# Altium PCB Bran_Main_Assay_PCB_v2.PcbDoc (part 7 of 15)
Units mil, origin at the board's own origin, x right, y up, seen from the top; angles counter-clockwise.
Board outline 3608.46 x 1899.79 mil, 6 copper layers (TOP, GND1, Singal, POWER, GND2, BOTTOM), stack 31.508 mil thick; 363 components, 288 nets, 1386 pads, 975 vias.
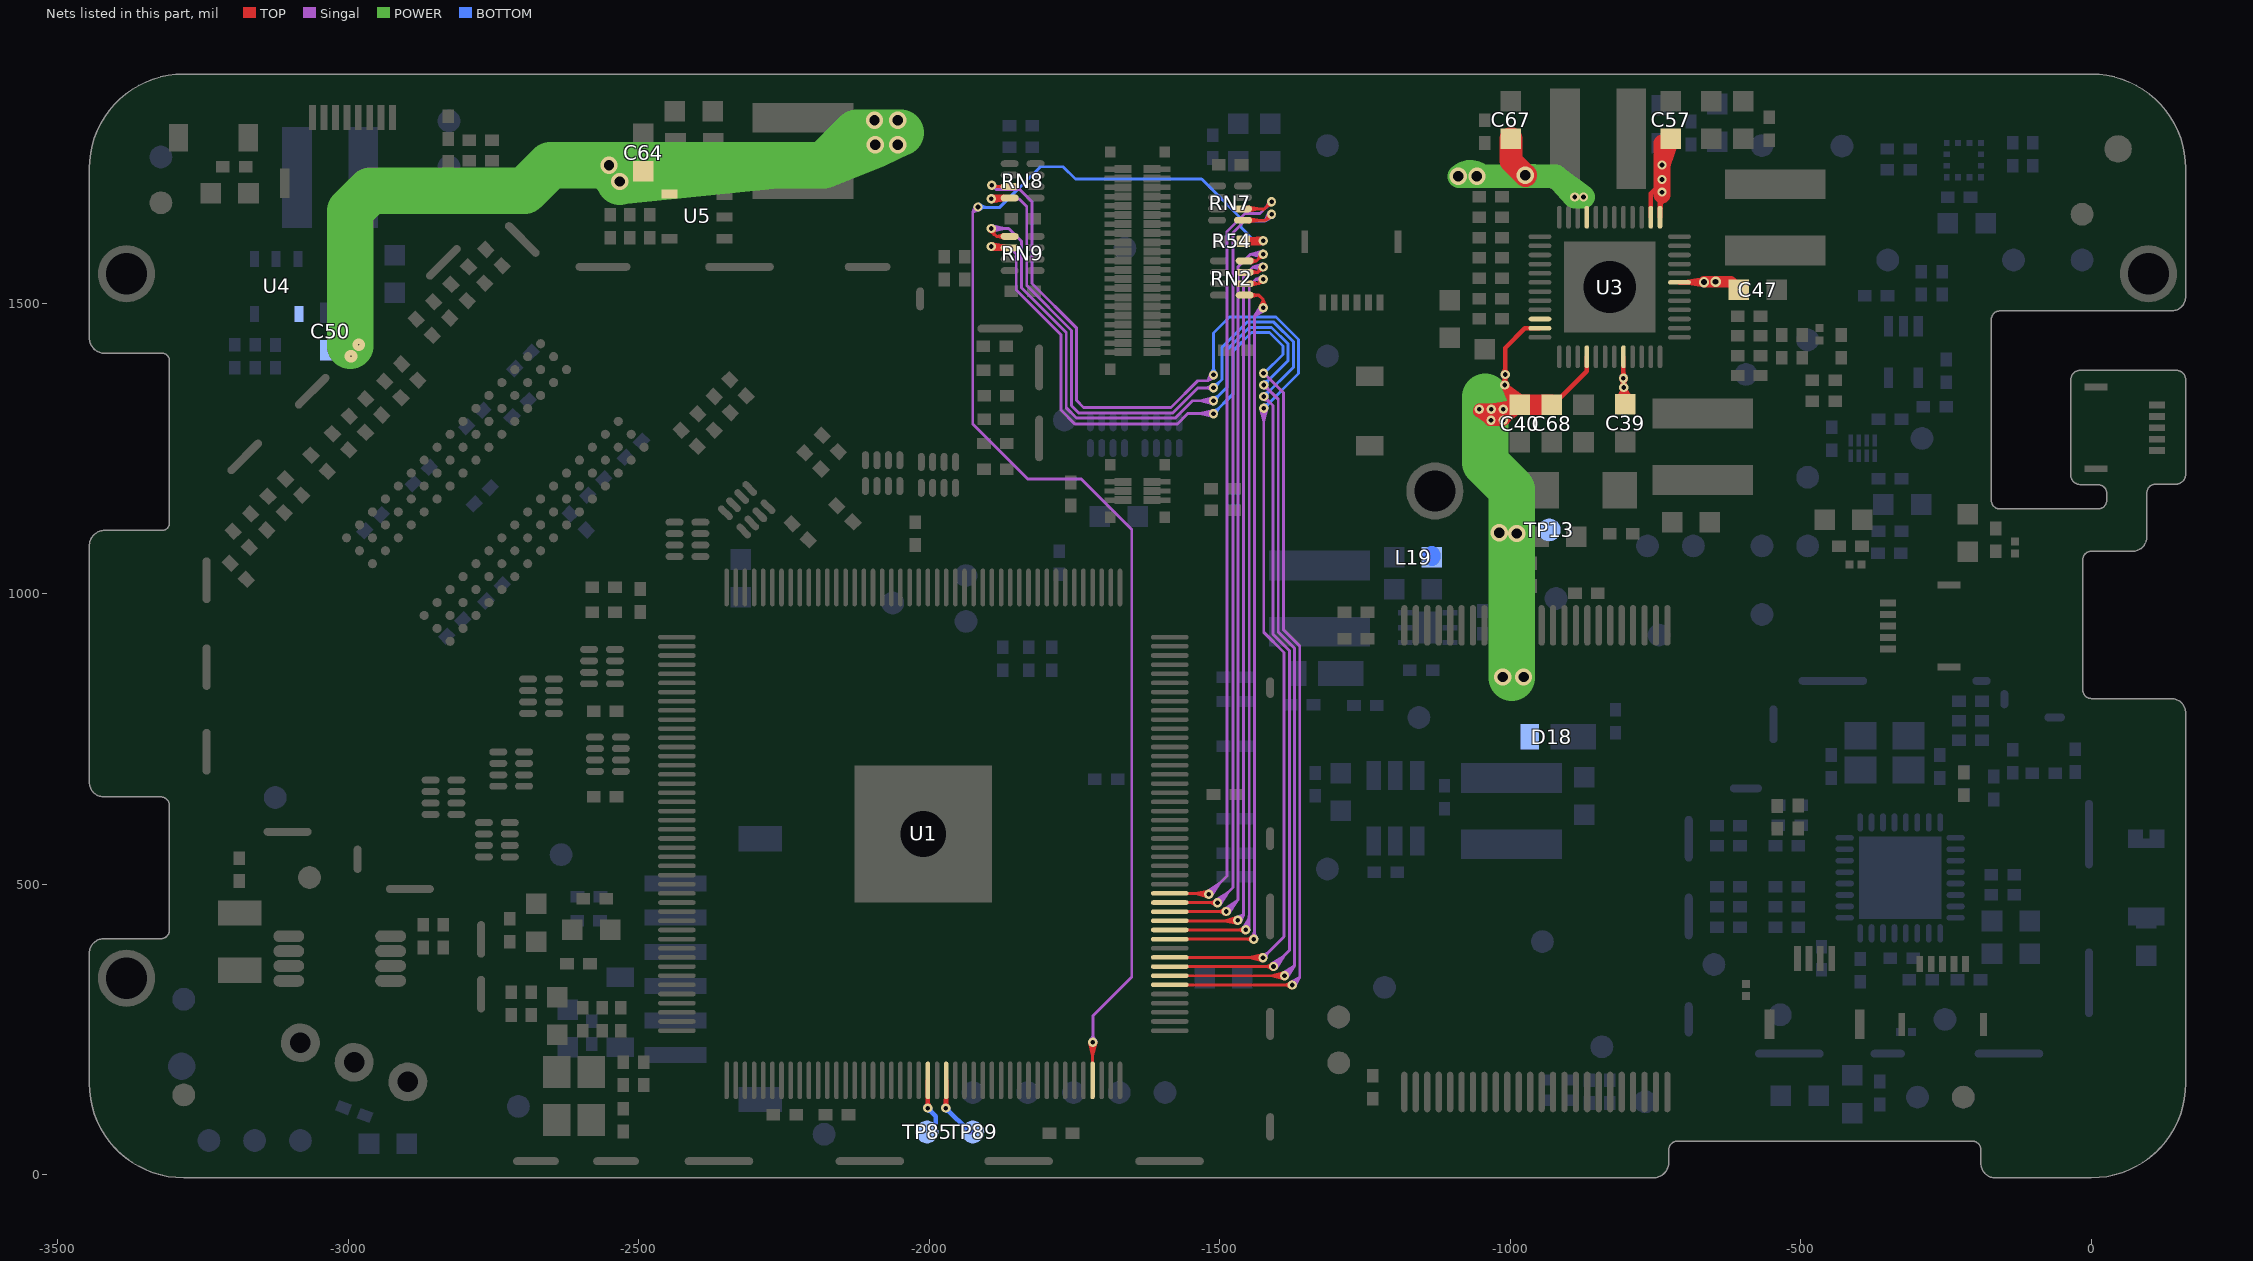
[diagram p11: the nets of this part, all layers, seen from the top]

## Via types
v1: diameter 16, hole 8, TOP to BOTTOM, tented both sides, 431 vias
v2: diameter 18, hole 10, TOP to BOTTOM, tented both sides, 257 vias
v3: diameter 22, hole 12, TOP to BOTTOM, tented both sides, 194 vias
v4: diameter 30, hole 18, TOP to BOTTOM, tented both sides, 69 vias
v5: diameter 24, hole 13, TOP to BOTTOM, tented both sides, 11 vias
v6: diameter 19.68, hole 7.87, TOP to BOTTOM, 9 vias
v7: diameter 22, hole 2, TOP to BOTTOM, tented both sides, 2 vias
v8: diameter 17.99, hole 10, TOP to BOTTOM, tented both sides, 1 vias
v9: diameter 20, hole 10, TOP to BOTTOM, tented both sides, 1 vias

## Nets (pads, with @x,y where several pads share a name; then routed paths per layer and width w, separated by ;. In a path a pad name is that pad's centre, name@x,y a point inside that pad or via, vN(x,y) a via of type N, cw(c..) or ccw(c..) an arc to the next point about the centre after c; other vN are vias at no path point) (continued)
IPSOUT: C39.1 C40.2 C47.1 C50.1 C57.1 C64.1 C67.1 C68.1 D18.2 L19.2 TP13.1 U3.7 U3.13 U3.14 U3.21 U3.34 U3.35 U3.40 U3.44 U4.4 U5.4 | length 10223.1
  TOP w8: v1@-1012.28,1362.57 ccw(c-1020.15,1370.44) v1@-1009.02,1370.44 ; v1@-1011.87,1356.56 cw(c-1016.25,1350.8) -1009.02,1350.8 ; v1@-1011.84,1374.91 cw(c-1018.67,1368.08) -1009.02,1368.08 cw(c-999.36,1368.08) v1@-1006.19,1374.91 ; v1@-1011.84,1380.57 ccw(c-1018.67,1387.4) -1009.02,1387.4 ccw(c-999.36,1387.4) v1@-1006.19,1380.57 ; v1@-1011.67,1374.75 cw(c-1016.11,1369.76) -1009.66,1368.04 ; v1@-1010.51,1364.87 v1(-1009.02,1377.74) ; -1009.02,1351.13 cw(c-1000.84,1351.13) v1@-1006.62,1356.91 ; -1009.02,1368.35 ccw(c-1000.84,1368.35) v1@-1006.62,1362.57 ; v1@-1005.45,1359.74 ccw(c-975.27,1359.74) C40.2@-996.61,1338.4 ; -1001.41,1344.65 v1(-1009.45,1359.74) ; C40.2@-999.57,1328.16 v1(-1009.45,1359.74) ; C40.2@-998.62,1328.85 v1(-1009.45,1359.74) ; C40.2@-997.73,1325.81 ccw(c-1030.85,1325.81) -1007.43,1349.22 ccw(c-984.02,1372.64) C40.2@-984.02,1339.52 ; C40.2@-995.72,1318.66 -1002.17,1342.36 ; C40.2@-995.41,1318.17 -1009.02,1350.81 ; C40.2@-993.52,1329.27 v1(-1009.45,1359.74) ; C40.2@-993.16,1330.83 v1(-1009.45,1359.74) ; C40.2@-989.17,1332.41 v1(-1009.45,1359.74) ; C40.2@-988.81,1322.69 -1004.42,1351.93 ; C40.2@-988.66,1322.47 -1000.57,1343.96 ; C40.2@-988.33,1322.06 -1002.17,1342.36 ; C40.2@-988.37,1322.1 -1009.02,1350.81 ; C40.2@-984.85,1334.24 v1(-1009.45,1359.74) ; C40.2@-984.3,1333.03 v1(-1009.45,1359.74) ; C40.2@-981.5,1339.68 v1(-1009.45,1359.74) ; C40.2@-980.68,1330.45 -1002.17,1342.36 ; C40.2@-980.69,1339 v1(-1009.45,1359.74) ; C40.2@-980.31,1330.16 -1009.02,1350.81 ; C40.2@-980.27,1330.12 -1000.57,1343.96 ; C40.2@-979.83,1329.7 -1004.42,1351.93 ; C40.2@-977.97,1338.12 -1002.17,1342.36 ; C40.2@-976.86,1337.51 -1000.57,1343.96 ; C40.2@-976.38,1337.2 -1009.02,1350.81 ; C40.2@-975.19,1336.3 -1004.42,1351.93 ; U3.35@-964.84,1457.44 -975.1,1457.44 ; U3.35@-949.09,1457.44 -975.1,1457.44 ; C68.1@-929.02,1325.81 -926.13,1325.81 -868.39,1383.55 ; U3.40@-868.39,1392.48 -868.39,1383.55 ; U3.40@-868.39,1408.23 -868.39,1383.55 ; C39.1@-812.16,1336.2 ccw(c-828.51,1352.54) v1@-805.39,1352.54 ; C39.1@-808.49,1340.99 v1(-804.84,1355.28) ; v1@-808.31,1353.28 cw(c-817.2,1348.15) -807.28,1345.49 ; v1@-808.22,1368.48 cw(c-815.05,1361.65) -805.39,1361.65 cw(c-795.74,1361.65) v1@-802.57,1368.48 ; v1@-808.22,1374.14 ccw(c-815.05,1380.96) -805.39,1380.96 ccw(c-795.74,1380.96) v1@-802.57,1374.14 ; v1@-807.67,1352.45 cw(c-813.17,1346.95) -805.39,1346.95 ; v1@-807.67,1358.11 ccw(c-813.17,1363.61) v1@-805.39,1363.61 ; v1@-807.48,1367.89 cw(c-809.75,1364.18) v1@-805.54,1363.05 ; -807.06,1346.33 cw(c-798.32,1343.98) v1@-802.84,1351.82 ; v1@-806.84,1351.82 cw(c-810.77,1345.03) -803.19,1347.06 ; v1@-806.69,1366.48 v1(-804.84,1355.28) ; v1@-806.44,1359.72 v1(-805.39,1371.31) ; v1@-805.54,1365.31 v1(-804.84,1355.28) ; C39.1@-805.39,1339.31 v1(-805.39,1371.31) ; -805.39,1344.3 cw(c-793.86,1344.3) v1@-802.02,1352.45 ; v1@-805.39,1366.27 ccw(c-793.86,1366.27) v1@-802.02,1358.11 ; U3.44@-805.39,1392.48 v1(-805.39,1371.31) ; U3.44@-805.39,1408.23 v1(-805.39,1371.31) ; v1@-804.43,1362.68 cw(c-799.04,1364.13) v1@-802.74,1368.31 ; v1@-804.43,1365.58 v1(-804.84,1355.28) ; v1@-804.1,1366.48 v1(-804.84,1355.28) ; v1@-803.85,1360.5 v1(-805.39,1371.31) ; -803.02,1346.43 cw(c-796.01,1348.3) v1@-801.71,1352.8 ; -802.78,1345.54 v1(-804.84,1355.28) ; C39.1@-799.02,1325.81 -801.09,1327.88 C39.1@-805.39,1332.19 ; C39.1@-795.62,1338.39 cw(c-785.9,1355.28) v1@-805.39,1355.28 ; U3.14@-758.15,1648.39 -758.15,1689.17 ; U3.14@-758.15,1664.13 -758.15,1689.17 ; v1@-742.89,1690.69 ccw(c-750.63,1688.7) -750.63,1696.69 ; U3.13@-742.4,1648.39 -742.4,1691.69 -742.4,1696.69 -750.63,1696.69 ; U3.13@-742.4,1659.4 v1(-739.02,1691.69) ; -742.4,1673.86 cw(c-721.18,1673.86) v1@-736.19,1688.86 ; v1@-742.4,1692.07 -742.4,1664.13 v1(-739.02,1691.69) ; -741.68,1679.35 v1(-739.02,1691.69) ; U3.7@-708.94,1536.18 v2@-667.29,1536.18 ; -680.28,1536.18 ccw(c-680.28,1550.46) v2@-670.18,1540.36 ; -677.16,1536.18 cw(c-677.16,1526.31) v2@-670.18,1533.29 ; v2@-667.98,1541.65 -676.58,1536.67 ; v2@-667.83,1531.97 -676.58,1536.67 ; v2@-667.24,1541.79 U3.7@-693.19,1536.18 ; v2@-667.12,1541.8 U3.7@-699.66,1536.18 ; v2@-667,1531.84 U3.7@-693.19,1536.18 ; v2@-666.93,1531.83 U3.7@-699.66,1536.18 ; v2@-666.04,1537.43 v2(-666.65,1536.83) ; v1(-1009.45,1359.74) v1(-1009.02,1377.74) ; v1(-1009.45,1359.74) -1009.02,1350.81 ; v1(-1009.45,1359.74) -989.01,1330.8 v1(-1009.45,1359.74) ; v1(-1009.45,1359.74) -1009.02,1350.81 ; v1(-1009.45,1359.74) -1009.02,1350.81 ; v1(-1009.45,1359.74) -1009.02,1350.81 ; v1(-1009.45,1359.74) -1009.02,1350.81 ; v1(-1009.45,1359.74) -1009.02,1350.81 ; v1(-1009.45,1359.74) -1009.02,1350.81 ; v1(-1009.45,1359.74) v1(-1009.02,1377.74) ; -1009.02,1350.81 -1009.02,1359.74 v1(-1009.02,1377.74) ; -1009.02,1350.81 v1(-1009.02,1377.74) ; -1009.02,1350.81 C40.2@-984.02,1325.81 ; -1009.02,1350.81 C40.2@-984.02,1325.81 ; v1(-1009.02,1377.74) -1009.02,1423.31 -975.1,1457.22 -975.1,1457.44 ; -1004.42,1351.93 C40.2@-984.02,1325.81 ; -1004.42,1351.93 -996.34,1319.78 -1000.57,1343.96 ; -1002.17,1342.36 C40.2@-984.02,1325.81 ; -1000.57,1343.96 C40.2@-984.02,1325.81 ; -806.18,1346.56 v1(-804.84,1355.28) ; -806.18,1346.56 v1(-804.84,1355.28) ; -806.18,1346.56 v1(-804.84,1355.28) ; -806.18,1346.56 v1(-804.84,1355.28) ; -806.18,1346.56 v1(-804.84,1355.28) ; -806.18,1346.56 C39.1@-802.46,1326.5 ; -806.18,1346.56 -797.05,1328.32 v1(-804.84,1355.28) ; -806.18,1346.56 -808.18,1326.26 v1(-804.84,1355.28) ; -806.18,1346.56 -790.6,1333.39 v1(-804.84,1355.28) ; -806.18,1346.56 -816.01,1328.68 v1(-804.84,1355.28) ; C39.1@-805.39,1332.19 v1@-805.39,1355.28 ; C39.1@-805.39,1332.19 v1(-804.84,1355.28) ; v1@-805.39,1355.28 v1(-805.39,1371.31) ; v1(-805.39,1371.31) v1(-804.84,1355.28) ; v1(-805.39,1371.31) v1(-804.84,1355.28) ; v1(-805.39,1371.31) v1(-804.84,1355.28) ; v1(-805.39,1371.31) v1(-804.84,1355.28) ; v1(-805.39,1371.31) v1(-804.84,1355.28) ; v1(-804.84,1355.28) C39.1@-802.46,1326.5 ; v1(-804.84,1355.28) -802.77,1345.51 ; v1(-804.84,1355.28) C39.1@-802.46,1326.5 ; v1(-804.84,1355.28) -802.77,1345.51 ; v1(-804.84,1355.28) -796.83,1327.45 -802.77,1345.51 ; v1(-804.84,1355.28) -808.13,1327.27 -802.77,1345.51 ; v1(-804.84,1355.28) -802.77,1345.51 ; v1(-804.84,1355.28) -802.77,1345.51 ; v1(-804.84,1355.28) -789.75,1331.65 -802.77,1345.51 ; v1(-804.84,1355.28) -815.34,1331.24 -802.77,1345.51 ; v1(-804.84,1355.28) -802.77,1345.51 ; -802.77,1345.51 C39.1@-802.46,1326.5 ; -758.15,1689.17 -750.63,1696.69 ; -750.63,1696.69 v1(-739.02,1691.69) ; U3.7@-699.66,1536.18 v2(-666.65,1536.83) ; U3.7@-693.19,1536.18 v2(-666.65,1536.83) ; U3.7@-693.19,1536.18 v2@-667.29,1536.18 ; -676.58,1536.67 v2(-666.65,1536.83) ; v2@-667.29,1536.18 v2(-666.65,1536.83)
  TOP w20: v1@-1054.02,1313.31 v1@-1053.3,1313.31 ; -1039.92,1309.31 v1(-1033.3,1298.99) ; v1@-1031.51,1299.89 ccw(c-1053.3,1288.91) v1@-1053.3,1313.31 ; v1@-1013.71,1316.58 ccw(c-1005.06,1325.23) -1005.06,1312.99 ; v1@-1012.55,1316.01 ccw(c-1008.31,1350.1) C40.2@-984.02,1325.81 ; -1009.67,1307.59 v1(-1012.3,1298.99) ; C40.2@-1001.28,1315.94 v1(-1012.3,1317.99) ; C40.2@-994.93,1318.46 v1(-1012.3,1317.99) ; C40.2@-991.35,1328.2 cw(c-1012.3,1335.02) v1@-1012.3,1312.99 ; v2@-666.65,1537.43 v2@-666.04,1537.43 ; C47.1@-606.52,1523.31 -620.64,1537.43 v2(-646.65,1537.43) ; v1@-1053.3,1313.31 -1033.3,1313.31 v1@-1032.8,1313.31 ; v1@-1053.3,1313.31 v1(-1033.3,1298.99) ; v1@-1053.3,1313.31 v1(-1033.3,1298.99) ; v1@-1053.3,1313.31 v1(-1033.3,1298.99) ; v1@-1053.3,1313.31 v1(-1012.3,1298.99) ; v1@-1053.3,1313.31 v1(-1012.3,1317.99) ; v1@-1053.3,1313.31 v1(-1032.8,1317.99) ; v1(-1053.3,1317.99) v1(-1033.3,1298.99) ; v1(-1053.3,1317.99) v1(-1033.3,1298.99) ; v1(-1053.3,1317.99) v1(-1033.3,1298.99) ; v1(-1053.3,1317.99) v1(-1012.3,1298.99) ; v1(-1053.3,1317.99) v1(-1012.3,1317.99) ; v1(-1053.3,1317.99) v1(-1032.8,1317.99) ; v1(-1053.3,1317.99) v1(-1032.8,1317.99) ; v1(-1053.3,1317.99) -1019.33,1313.31 ; v1(-1053.3,1317.99) -1041.1,1310.04 ; -1041.1,1310.04 v1(-1033.3,1298.99) ; -1041.1,1310.04 v1(-1033.3,1298.99) ; -1041.1,1310.04 v1(-1032.8,1317.99) ; v1(-1033.3,1298.99) v1(-1032.8,1317.99) ; v1(-1033.3,1298.99) v1(-1012.3,1298.99) ; v1(-1033.3,1298.99) -1020.19,1309.93 ; v1(-1033.3,1298.99) v1(-1012.3,1298.99) ; v1(-1033.3,1298.99) -1027.37,1311.15 ; v1(-1033.3,1298.99) v1(-1012.3,1298.99) ; v1(-1033.3,1298.99) -1020.3,1309.99 ; v1(-1033.3,1298.99) v1(-1012.3,1298.99) ; v1(-1033.3,1298.99) -1020.3,1309.99 ; v1(-1033.3,1298.99) v1(-1012.3,1298.99) ; v1(-1033.3,1298.99) v1(-1032.8,1317.99) ; v1(-1033.3,1298.99) v1(-1012.3,1298.99) ; v1(-1033.3,1298.99) v1(-1032.8,1317.99) ; v1(-1033.3,1298.99) v1(-1012.3,1298.99) ; v1(-1033.3,1298.99) v1(-1032.8,1317.99) ; v1(-1033.3,1298.99) v1(-1012.3,1298.99) ; v1(-1033.3,1298.99) v1(-1032.8,1317.99) ; v1(-1033.3,1298.99) v1(-1012.3,1298.99) ; v1(-1033.3,1298.99) v1(-1032.8,1317.99) ; v1(-1033.3,1298.99) v1(-1012.3,1298.99) ; v1(-1033.3,1298.99) v1(-1032.8,1317.99) ; v1(-1033.3,1298.99) v1(-1012.3,1298.99) ; v1(-1033.3,1298.99) -1020.19,1309.93 ; v1(-1033.3,1298.99) v1(-1012.3,1298.99) ; v1(-1033.3,1298.99) v1(-1012.3,1298.99) ; v1(-1033.3,1298.99) v1(-1012.3,1298.99) ; v1(-1033.3,1298.99) -1019.44,1309.48 v1(-1012.3,1298.99) ; v1(-1033.3,1298.99) v1(-1012.3,1298.99) ; v1(-1033.3,1298.99) -1020.19,1309.93 ; v1(-1033.3,1298.99) v1(-1012.3,1317.99) ; v1(-1033.3,1298.99) v1(-1012.3,1317.99) ; v1(-1033.3,1298.99) -1027.37,1311.15 ; v1(-1033.3,1298.99) v1(-1012.3,1317.99) ; v1(-1033.3,1298.99) -1020.3,1309.99 ; v1(-1033.3,1298.99) v1(-1012.3,1317.99) ; v1(-1033.3,1298.99) v1@-1032.8,1313.31 ; v1(-1033.3,1298.99) v1(-1012.3,1317.99) ; v1(-1033.3,1298.99) -1020.3,1309.99 ; v1(-1033.3,1298.99) v1(-1012.3,1317.99) ; v1(-1033.3,1298.99) v1(-1032.8,1317.99) ; v1(-1033.3,1298.99) v1(-1032.8,1317.99) ; v1(-1033.3,1298.99) v1(-1032.8,1317.99) ; v1(-1033.3,1298.99) -1020.19,1309.93 ; v1(-1033.3,1298.99) -1019.33,1313.31 ; v1(-1033.3,1298.99) -1019.33,1313.31 ; v1@-1032.8,1313.31 cw(c-1032.8,1288.09) -1010.53,1299.93 v1(-1012.3,1317.99) ; v1@-1032.8,1313.31 -1019.33,1313.31 ; v1@-1032.8,1313.31 v1(-1012.3,1317.99) ; v1(-1032.8,1317.99) v1(-1012.3,1298.99) ; v1(-1032.8,1317.99) v1(-1012.3,1298.99) ; v1(-1032.8,1317.99) v1(-1012.3,1298.99) ; v1(-1032.8,1317.99) v1(-1012.3,1298.99) ; v1(-1032.8,1317.99) v1(-1012.3,1298.99) ; v1(-1032.8,1317.99) v1(-1012.3,1298.99) ; v1(-1032.8,1317.99) v1(-1012.3,1298.99) ; v1(-1032.8,1317.99) v1(-1012.3,1317.99) ; v1(-1032.8,1317.99) v1(-1012.3,1317.99) ; v1(-1032.8,1317.99) v1(-1012.3,1317.99) ; v1(-1032.8,1317.99) v1(-1012.3,1317.99) ; v1(-1032.8,1317.99) v1(-1012.3,1317.99) ; v1(-1032.8,1317.99) v1(-1012.3,1317.99) ; v1(-1032.8,1317.99) v1(-1012.3,1317.99) ; v1(-1032.8,1317.99) v1(-1012.3,1317.99) ; v1(-1032.8,1317.99) -1019.02,1312.99 ; v1(-1032.8,1317.99) C40.2@-984.02,1325.81 ; v1(-1032.8,1317.99) -1019.02,1312.99 ; v1(-1032.8,1317.99) C40.2@-996.83,1312.99 ; v1(-1032.8,1317.99) -1019.33,1313.31 ; v1(-1032.8,1317.99) -1019.33,1313.31 ; v1(-1032.8,1317.99) -1035.28,1299.24 cw(c-1019.33,1297.23) -1019.33,1313.31 ; v1(-1032.8,1317.99) -1019.33,1313.31 ; v1(-1032.8,1317.99) -1020.19,1309.93 ; -1027.37,1311.15 v1(-1012.3,1298.99) ; -1027.37,1311.15 v1(-1012.3,1317.99) ; -1020.3,1309.99 v1(-1012.3,1298.99) ; -1020.3,1309.99 v1(-1012.3,1298.99) ; -1020.3,1309.99 v1(-1012.3,1317.99) ; -1020.3,1309.99 v1(-1012.3,1317.99) ; -1020.19,1309.93 v1(-1012.3,1298.99) ; -1020.19,1309.93 v1(-1012.3,1298.99) ; -1020.19,1309.93 v1(-1012.3,1317.99) ; -1019.33,1313.31 v1(-1012.3,1298.99) ; -1019.33,1313.31 v1(-1012.3,1298.99) ; -1019.33,1313.31 v1(-1012.3,1298.99) ; -1019.33,1313.31 v1(-1012.3,1298.99) ; -1019.33,1313.31 v1(-1012.3,1298.99) ; -1019.02,1312.99 v1@-1012.3,1312.99 ; -1019.02,1312.99 v1(-1012.3,1298.99) ; -1019.02,1312.99 v1(-1012.3,1298.99) ; -1019.02,1312.99 v1(-1012.3,1298.99) ; -1019.02,1312.99 v1(-1012.3,1298.99) ; -1019.02,1312.99 C40.2@-984.02,1325.81 ; v1(-1012.3,1298.99) C40.2@-984.02,1325.81 ; v1(-1012.3,1298.99) -1005.82,1310.58 C40.2@-984.02,1325.81 ; v1(-1012.3,1298.99) C40.2@-984.02,1325.81 ; v1(-1012.3,1298.99) C40.2@-996.83,1312.99 ; v1(-1012.3,1298.99) C40.2@-996.83,1312.99 ; v1(-1012.3,1298.99) v1(-1012.3,1317.99) ; v1(-1012.3,1298.99) v1(-1012.3,1317.99) ; v1(-1012.3,1298.99) v1(-1012.3,1317.99) ; v1(-1012.3,1298.99) v1(-1012.3,1317.99) ; v1(-1012.3,1298.99) v1(-1012.3,1317.99) ; v1(-1012.3,1298.99) v1(-1012.3,1317.99) ; v1@-1012.3,1312.99 C40.2@-996.83,1312.99 ; v1(-1012.3,1317.99) C40.2@-984.02,1325.81 ; v1(-1012.3,1317.99) C40.2@-984.02,1325.81 ; v1(-1012.3,1317.99) C40.2@-984.02,1325.81 ; v1(-1012.3,1317.99) C40.2@-996.83,1312.99 ; v1(-1012.3,1317.99) C40.2@-984.02,1325.81 ; v1(-1012.3,1317.99) C40.2@-996.83,1312.99 ; v1(-1012.3,1317.99) C40.2@-996.83,1312.99 ; v1(-1012.3,1317.99) -1014.24,1299.49 cw(c-996.83,1295.02) C40.2@-996.83,1312.99 ; v1(-1012.3,1317.99) C40.2@-996.83,1312.99 ; C40.2@-996.83,1312.99 C40.2@-984.02,1325.81 ; v2@-666.04,1537.43 v2(-646.65,1537.43) ; v2@-666.04,1537.43 v2(-646.65,1537.43) ; v1@-1034.21,1316.58 ccw(c-1025.56,1325.23) -1025.56,1312.99 cw(c-1025.56,1325.23) v1@-1034.21,1316.58
  TOP w30: v1@-739.02,1740.56 cw(c-681.24,1740.56) C57.1@-722.09,1781.41 ; C57.1@-739.02,1775.81 v1(-739.02,1738.31) ; C57.1@-731.28,1769.44 v1(-739.02,1738.31) ; v1(-739.02,1691.69) v1(-739.02,1713.31) ; v1(-739.02,1691.69) v1(-739.02,1713.31) ; v1(-739.02,1691.69) v1(-739.02,1713.31) ; v1(-739.02,1691.69) -739.02,1686.69 v1(-739.02,1713.31) ; v1(-739.02,1691.69) v1(-739.02,1713.31) ; v1(-739.02,1713.31) v1(-739.02,1738.31) ; v1(-739.02,1713.31) v1(-739.02,1738.31) ; v1(-739.02,1738.31) -737.05,1755.51 C57.1@-724.02,1783.33 ; v1(-739.02,1738.31) C57.1@-724.02,1783.33 ; v1(-739.02,1738.31) C57.1@-724.02,1783.33
  TOP w35: C40.2@-984.02,1325.81 C68.1@-929.02,1325.81 C40.2@-984.02,1325.81
  TOP w40: -999.02,1745.83 v4(-974.02,1720.83) -999.02,1745.83 ; -999.02,1745.83 C67.1@-999.02,1783.33 ; -999.02,1745.83 C67.1@-999.02,1783.33 ; -999.02,1745.83 C67.1@-999.02,1783.33
  POWER w40: v4@-1055.06,1723.13 ccw(c-1068.53,1698.39) v4@-1088.45,1718.31 ; v4@-1054.94,1723.07 ccw(c-1068.66,1699.39) v4@-1088.02,1718.74 ; v4@-1088.45,1718.31 v4(-1057.45,1718.74) ; v4@-1088.45,1718.31 v4@-1088.02,1718.74 ; v4@-1088.02,1718.74 v4(-1057.45,1718.74) ; v4@-1088.02,1718.74 v4(-1057.45,1718.74) ; v4@-1088.02,1718.74 v4(-1057.45,1718.74) ; v4(-1057.45,1718.74) -974.02,1718.74 -921.45,1718.74 ; v4(-1057.45,1718.74) v4(-974.02,1720.83) -921.45,1718.74 ; -921.45,1718.74 -887.52,1684.81 -886.02,1683.31 v1(-874.02,1683.31) ; -921.45,1718.74 v1(-874.02,1683.31) ; -921.45,1718.74 v1(-874.02,1683.31) ; -921.45,1718.74 v1(-889.02,1683.31) v1(-874.02,1683.31)
  POWER w80: -2996.45,1426.74 -2996.45,1428.99 -2996.45,1659.74 -2962.45,1693.74 -2696.91,1693.74 -2652.91,1737.74 ; -2262.29,1737.74 v4(-2532.88,1709.88) ; -1043.46,1339.12 -1043.46,1317.99 -1043.46,1298.99 -1043.46,1226 -997.46,1180 -997.46,1104.99 -997.46,1103.99 -997.46,856.99 -997.46,855.99 ; -2652.91,1737.74 v4(-2551.45,1737.74) ; -2652.91,1737.74 v4(-2551.45,1737.74) ; v4(-2551.45,1737.74) -2532.88,1737.74 -2181.46,1737.74 ; v4(-2551.45,1737.74) v4(-2532.88,1709.88) ; v4(-2551.45,1737.74) v4(-2532.88,1709.88) ; v4(-2551.45,1737.74) v4(-2532.88,1709.88) ; -2181.46,1737.74 v4(-2093.46,1773) ; -2181.46,1737.74 -2125.2,1794 ; -2125.2,1794 -2094.46,1794 -2093.46,1794 -2054.46,1794 -2049.46,1794 v4(-2093.46,1773) ; -2125.2,1794 v4(-2093.46,1773) ; -2125.2,1794 v4(-2093.46,1773)
  BOTTOM w30: L19.2@-1134.96,1063 L19.2@-1134.96,1067.5
  other v4: -1013.3,856.99 -977.3,856.99 -988.94,1103.99 -1018.94,1104.99 -1089.45,1718.74 -2054.46,1773 -2094.46,1815 -2054.46,1815
  other v7: -2995.3,1408.99 -2982.3,1428.99
JTAG_CLK: TP89.1 U1.113 | length 213.8
  TOP w8: v1@-1974.77,117.82 ccw(c-1983.74,126.79) -1971.06,126.79 ; -1971.49,123.51 v1(-1971.94,114.99) ; U1.113@-1971.06,147.03 v1(-1971.94,114.99) ; U1.113@-1971.06,162.71 -1971.06,115.88 -1971.06,134.17 v1(-1971.94,114.99)
  BOTTOM w8: v1@-1971.94,110.99 cw(c-1971.94,101.34) -1965.12,108.16 cw(c-1958.29,114.99) v1@-1967.94,114.99 ; v1(-1971.94,114.99) -1930.86,73.91 TP89.1@-1925.2,73.91
JTAG_DO: TP85.1 U1.111 | length 179.5
  TOP w8: v1@-2005.77,117.82 ccw(c-2013.53,125.58) -2002.56,125.58 ; -2002.56,123.72 ccw(c-1994.22,123.72) v1@-2000.12,117.82 ; U1.111@-2002.56,147 v1(-2002.94,114.99) -2002.56,134.17 -2002.56,115.38 U1.111@-2002.56,162.71
  BOTTOM w8: v1@-2002.94,110.99 cw(c-2002.94,101.34) -1996.12,108.16 cw(c-1989.29,114.99) v1@-1998.94,114.99 ; v1(-2002.94,114.99) -1988.94,100.99 -1988.94,88.9
LCD-CLK: R54.2 U1.129 | length 3332.9
  TOP w5: v1@-1724.12,227.76 -1719.09,205.3 ; v1@-1724.02,227.15 -1719.49,219.14 ; v1@-1723.95,226.84 -1718.58,217.79 ; v1@-1722.53,224.42 cw(c-1730.86,216.1) -1719.09,216.1 ; U1.129@-1719.09,162.71 v1@-1719.09,227.86 ; U1.129@-1719.09,191.26 -1719.09,210.19 ; -1719.09,213.96 cw(c-1704.3,213.96) v1@-1714.76,224.42 ; v1@-1713.57,226.19 -1719.49,219.14 ; v1@-1713.33,226.9 -1718.58,217.79 ; v1@-1713.2,227.54 -1719.09,205.3 ; R54.2@-1459.76,1606.74 -1425.45,1606.74 v1@-1424.45,1606.74 ; R54.2@-1456.71,1599.48 v1@-1432.95,1606.74 ; R54.2@-1456.71,1614 v1@-1432.95,1606.74 ; R54.2@-1456.07,1599.6 -1444.66,1606.14 ; R54.2@-1456.07,1613.88 -1444.66,1607.34 ; R54.2@-1455.42,1599.79 -1444.66,1607.34 ; R54.2@-1455.42,1613.69 -1444.66,1606.14 ; R54.2@-1452.6,1601.55 cw(c-1440.07,1589.01) -1440.07,1606.74 cw(c-1440.07,1624.47) R54.2@-1452.6,1611.93 ; -1441.14,1606.74 ccw(c-1441.14,1623.43) v1@-1429.34,1611.63 ; -1436.31,1606.74 cw(c-1436.31,1596.88) v1@-1429.34,1603.85 ; v1@-1428.05,1612.59 -1433.76,1606.4 ; v1@-1427.39,1612.89 R54.2@-1448.46,1602 ; v1@-1426.98,1613.02 -1436.82,1607.31 ; v1@-1426.97,1602.46 R54.2@-1449.83,1611.9 ; v1@-1426.57,1602.36 -1436.82,1607.31 ; v1@-1426.4,1602.32 -1433.76,1606.4 ; v1@-1425.13,1613.23 R54.2@-1449.83,1611.9 ; v1@-1424.75,1602.29 R54.2@-1448.46,1602 ; -1719.49,219.14 v1(-1718.65,228.31) ; -1719.09,205.3 v1(-1718.65,228.31) ; v1(-1718.65,228.31) -1718.58,217.79 ; R54.2@-1457.8,1606.74 v1@-1432.95,1606.74 ; R54.2@-1457.8,1606.74 -1444.66,1607.34 ; R54.2@-1457.8,1606.74 -1444.66,1606.14 ; R54.2@-1449.83,1611.9 v1(-1425.45,1607.74) ; R54.2@-1448.85,1606.74 v1(-1425.45,1607.74) ; R54.2@-1448.85,1606.74 -1426.33,1613.17 R54.2@-1448.48,1606.74 ; R54.2@-1448.85,1606.74 -1425.86,1602.26 R54.2@-1448.48,1606.74 ; R54.2@-1448.48,1606.74 v1(-1425.45,1607.74) ; R54.2@-1448.46,1602 v1(-1425.45,1607.74) ; -1436.82,1607.31 v1(-1425.45,1607.74) ; -1433.76,1606.4 v1(-1425.45,1607.74)
  Singal w5: v1@-1921.8,1665.82 cw(c-1933.77,1665.46) -1925.3,1656.99 ; v1@-1920.94,1668.95 -1925.3,1656.99 ; v1@-1916.47,1660.49 ccw(c-1916.83,1648.52) -1925.3,1656.99 ; v1@-1913.34,1661.35 -1925.3,1656.99 ; v1@-1723.99,229.6 -1719.1,238.15 ; v1@-1723.85,230.08 -1718.19,238.15 ; v1@-1722.53,232.2 ccw(c-1731.92,241.59) -1718.65,241.59 ccw(c-1705.37,241.59) v1@-1714.76,232.2 ; v1@-1713.44,230.08 -1719.1,238.15 ; v1@-1713.3,229.6 -1718.19,238.15 ; -1925.3,1656.99 v1(-1916.3,1665.99) -1925.3,1656.99 ; -1925.3,1656.99 -1925.3,1292.32 -1830.81,1197.83 -1738.54,1197.83 -1651.65,1110.94 -1651.65,340.68 -1718.65,273.68 v1(-1718.65,228.31) ; -1719.1,238.15 v1(-1718.65,228.31) ; v1(-1718.65,228.31) -1718.19,238.15